# Altium PCB Hydrophone2012.PcbDoc (part 1 of 3)
Units mil, origin at the board's own origin, x right, y up, seen from the top; angles counter-clockwise.
Board outline 4800 x 2625 mil, 4 copper layers (Top Layer, PWR, GND, Bottom Layer); 354 components, 154 nets, 1267 pads, 483 vias.
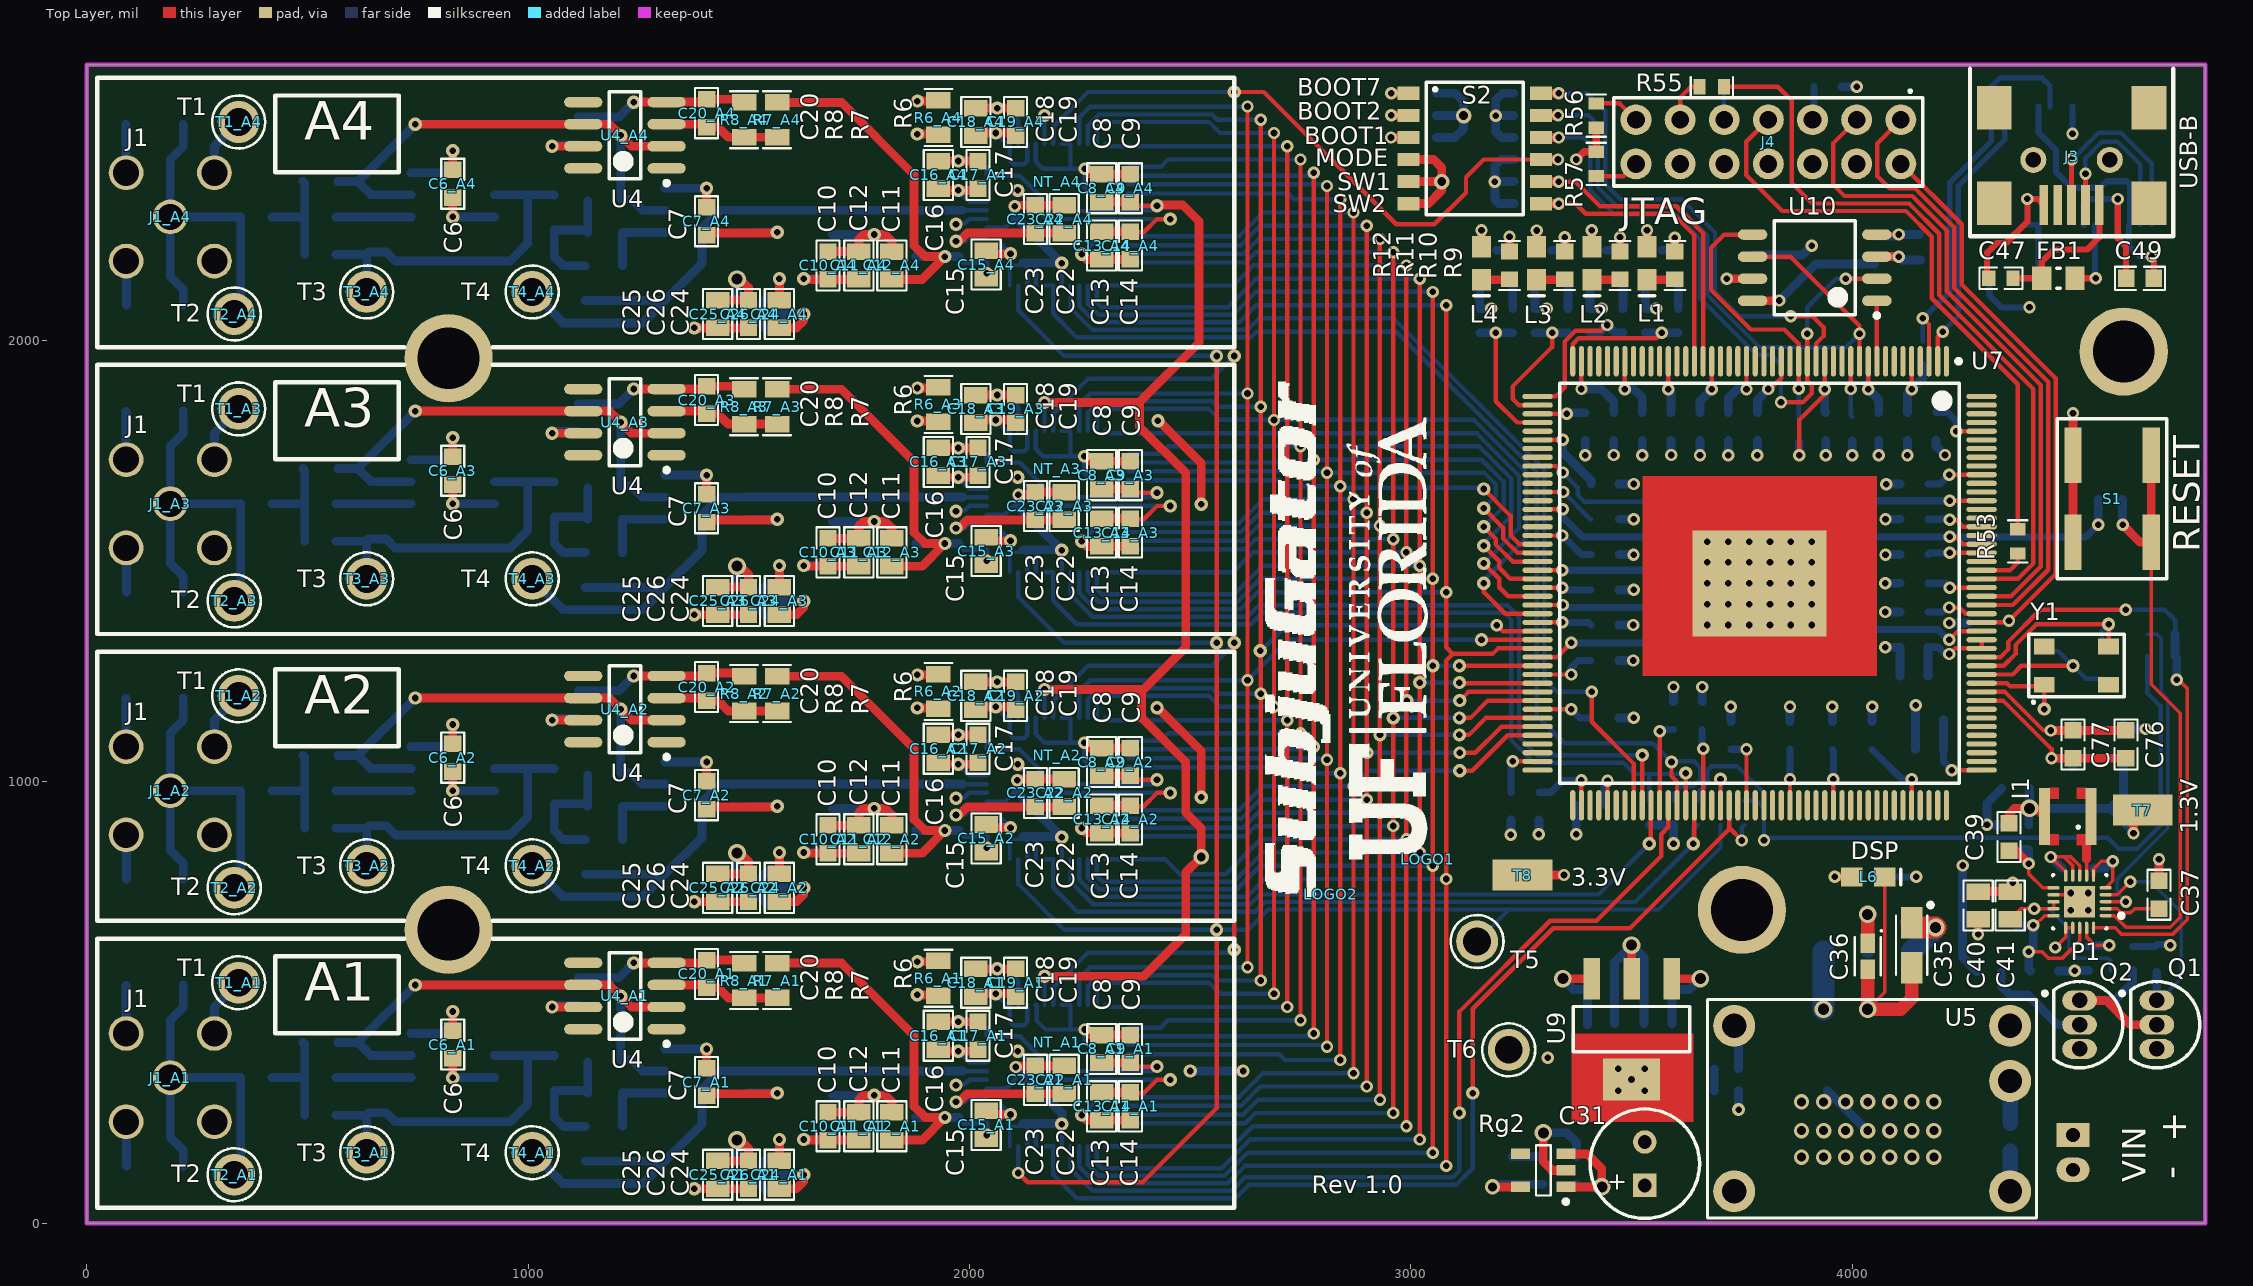
[diagram p0: Top Layer view]
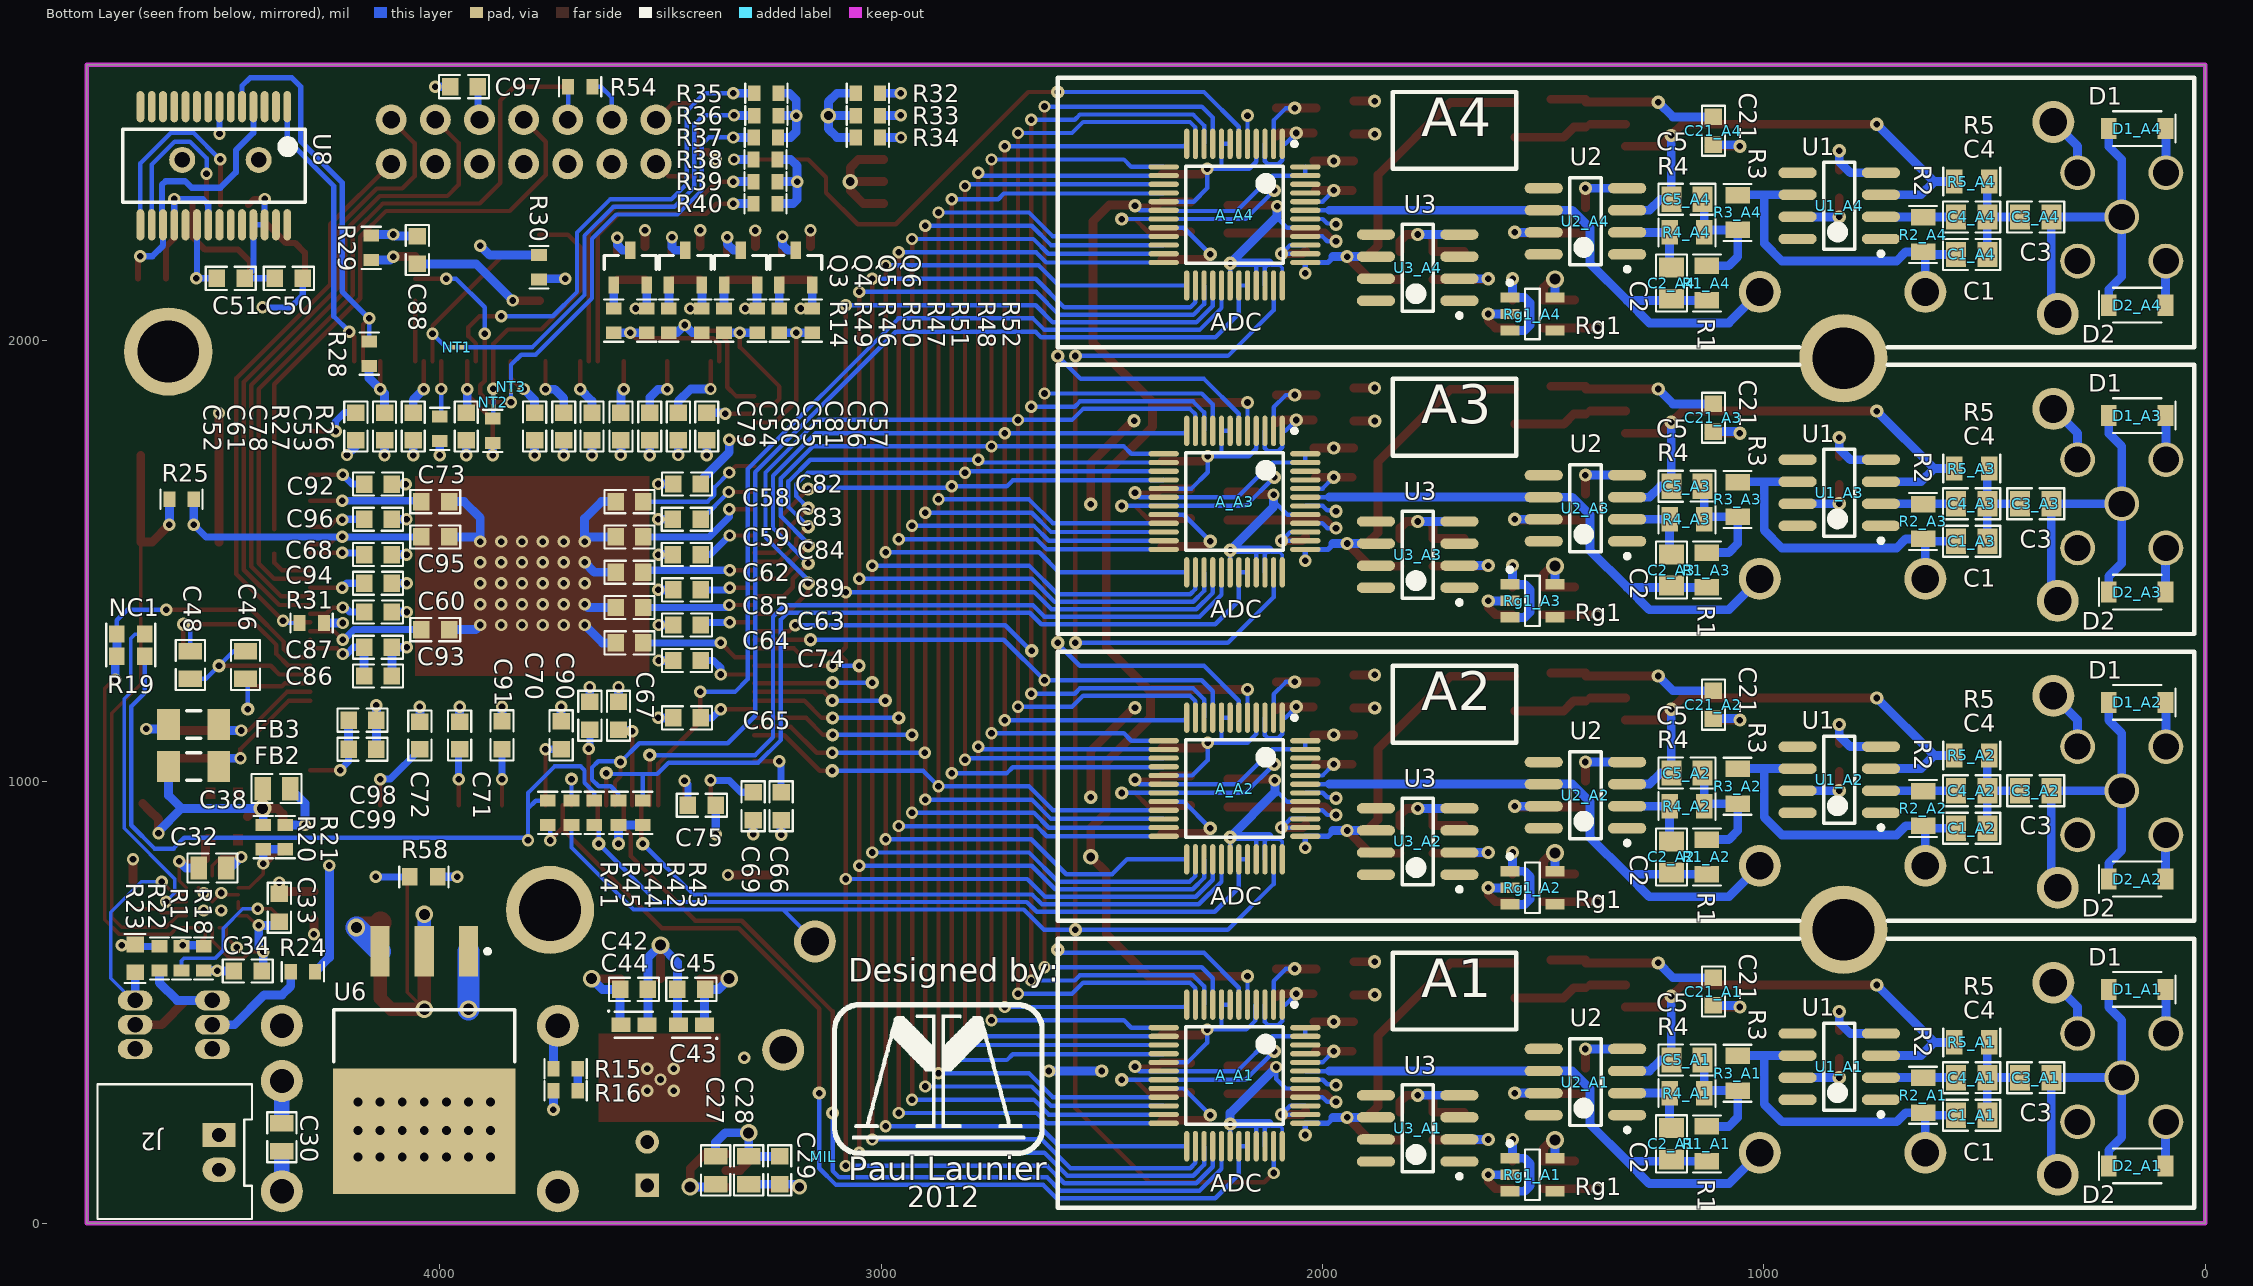
[diagram p1: Bottom Layer view, seen from below]
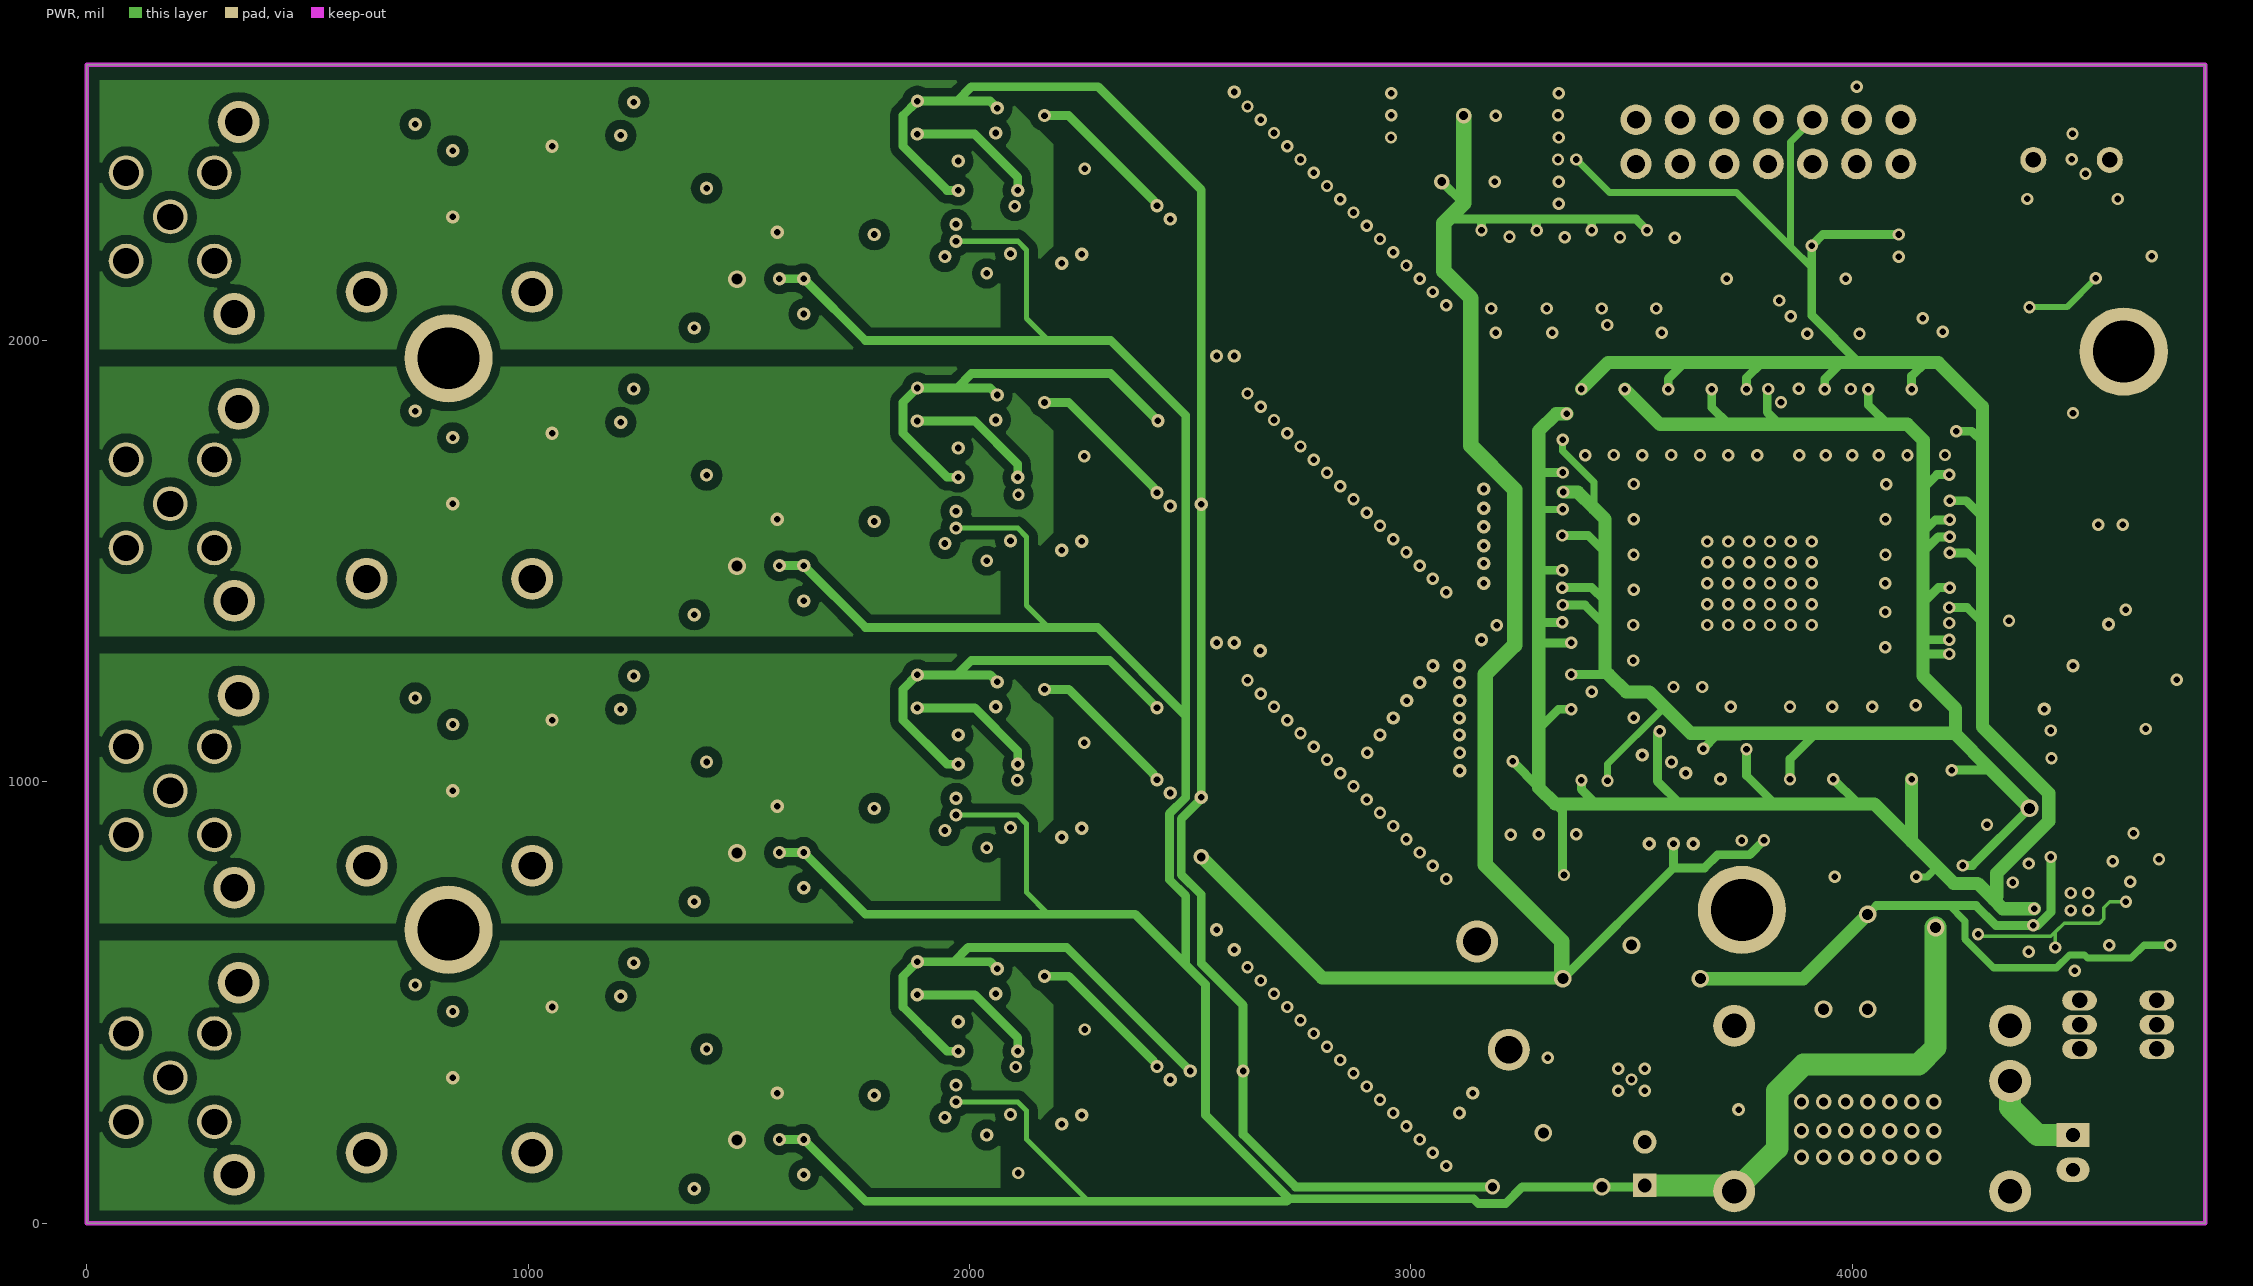
[diagram p2: PWR]
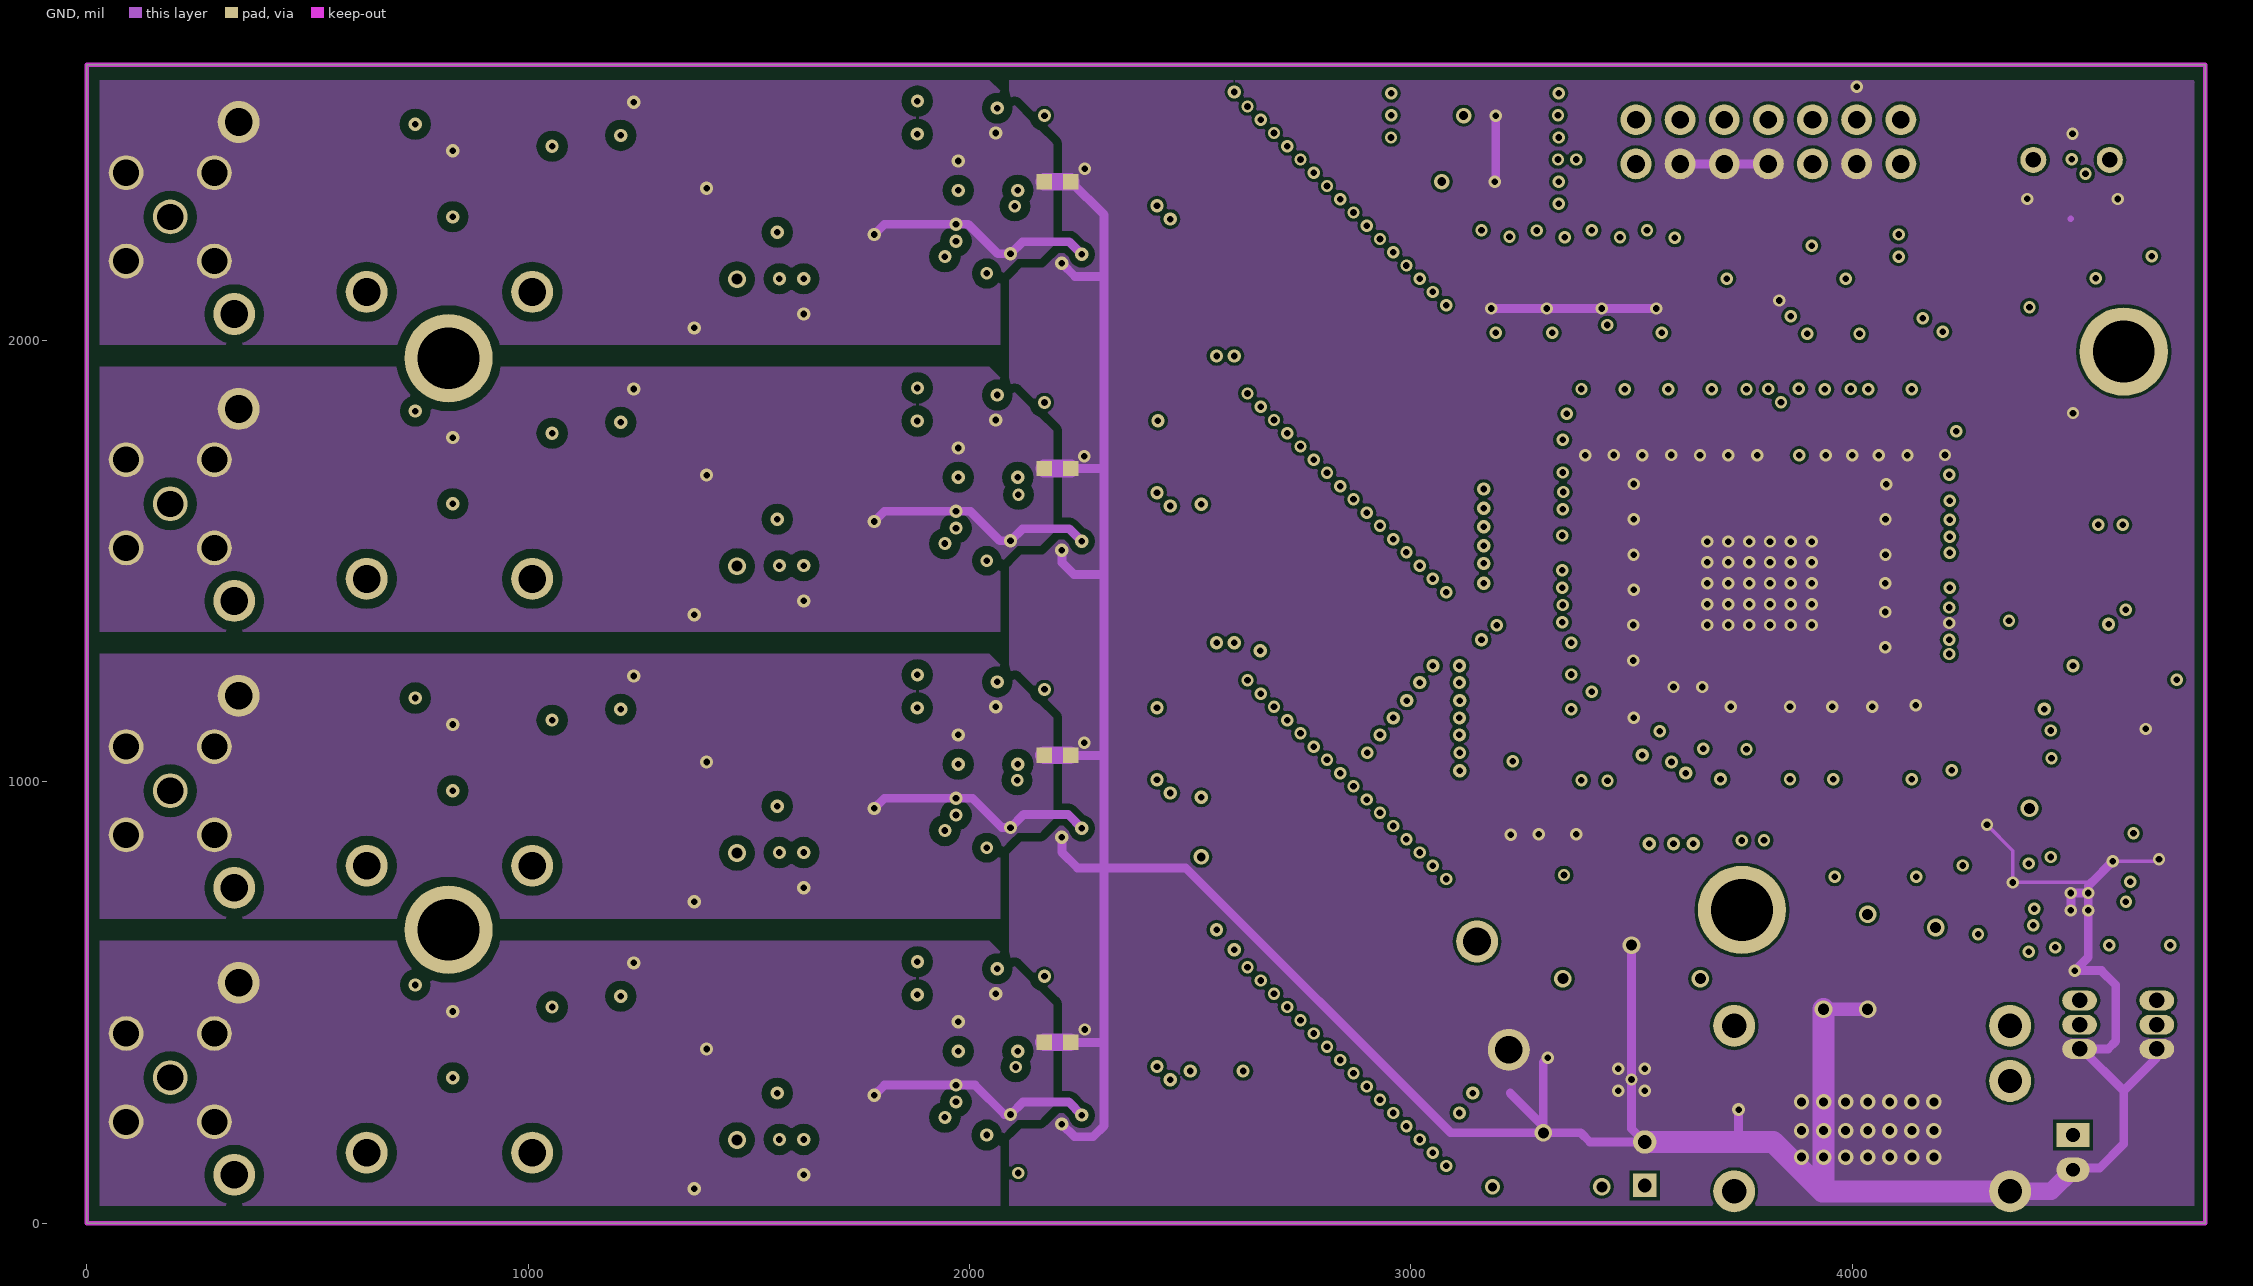
[diagram p3: GND]
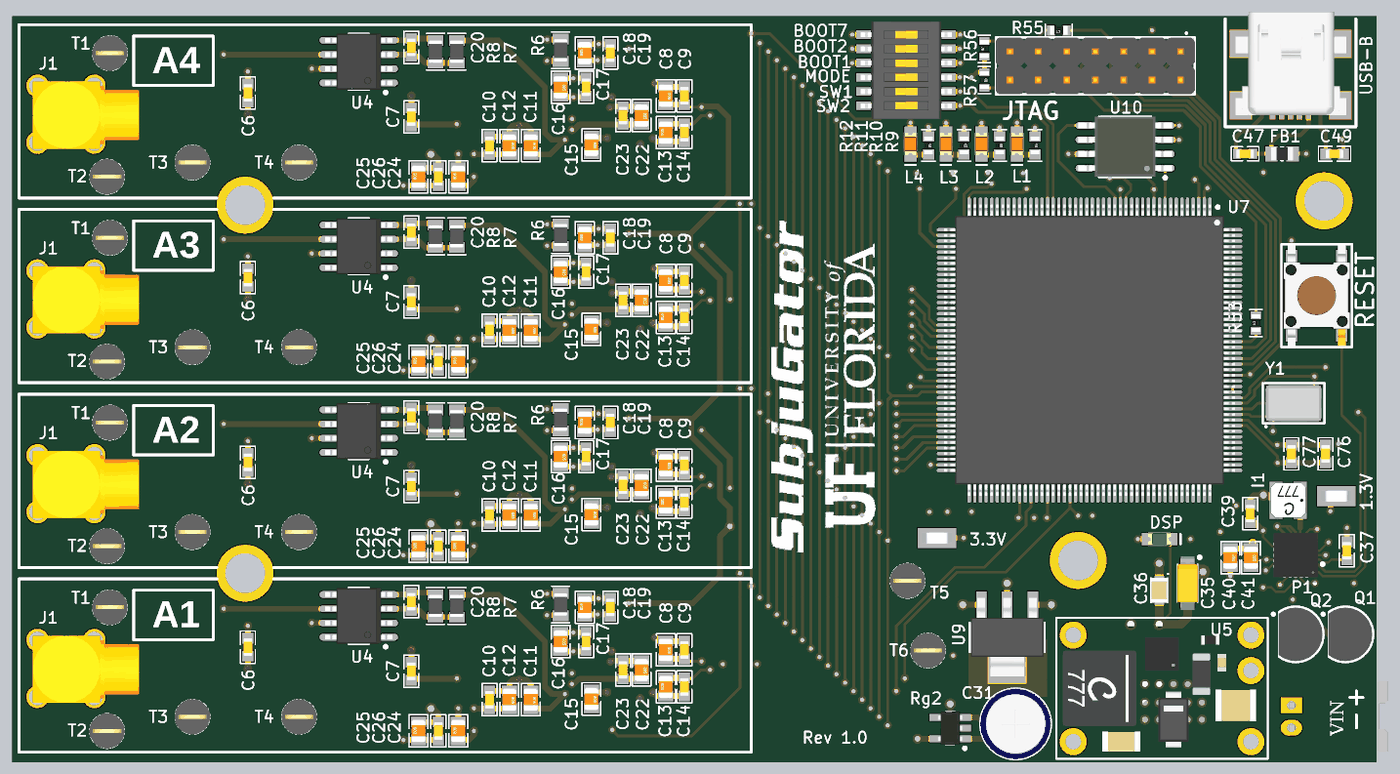
[diagram p6: 3D render of the assembled board from above, using the file's embedded part models]
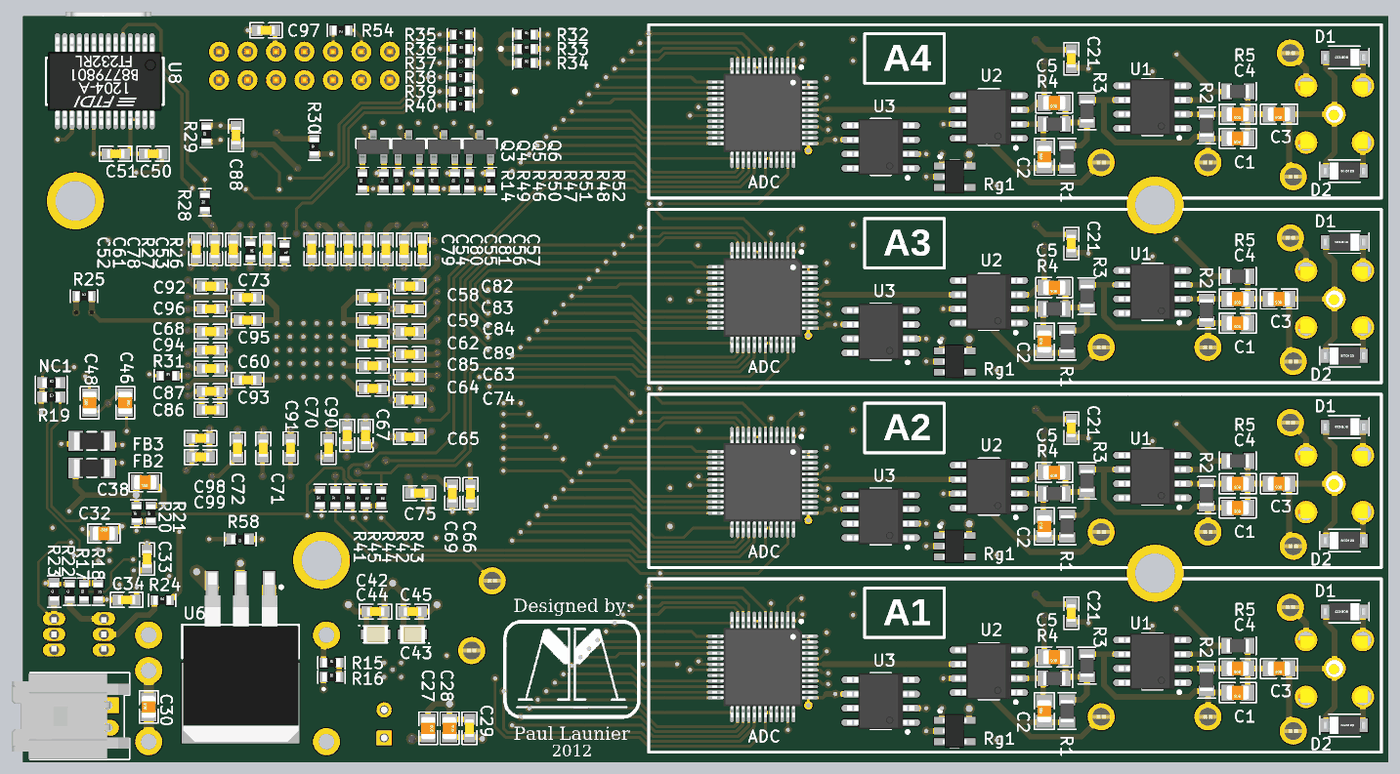
[diagram p7: 3D render of the assembled board from below, using the file's embedded part models]

## Layer stack, top to bottom
Top Solder: solder mask 0.4, Solder Resist, Dk 3.5
Top Layer: signal copper 1.4
Dielectric1: prepreg 12.6, FR-4, Dk 4.8
PWR: signal copper 1.4
Dielectric3: core 12.6, FR-4, Dk 4.8
GND: signal copper 1.4
Dielectric2: prepreg 12.6, FR-4, Dk 4.8
Bottom Layer: signal copper 1.4
Bottom Solder: solder mask 0.4, Solder Resist, Dk 3.5

## Board outline
0,0 4800,0 4800,2625 0,2625

## Design rules (kind name [scope] priority, off if disabled: settings)
Clearance "Clearance DGNG NT" [InNamedPolygon('DGND') vs (InComponent('NT_A1') OR InComponent('NT_A2') OR InComponent('NT_A3') OR InComponent('NT_A4'))] p1: gap=-1
Clearance "Clearance AGND NT" [(InNamedPolygon('AGND1') OR InNamedPolygon('AGND2') OR InNamedPolygon('AGND3') OR InNamedPolygon('AGND4')) vs (InComponent('NT_A1') OR InComponent('NT_A2') OR InComponent('NT_A3') OR InComponent('NT_A4'))] p2: gap=-1
Clearance "Clearance Analog GND" [(InNamedPolygon('AGND1') OR InNamedPolygon('AGND2') OR InNamedPolygon('AGND3') OR InNamedPolygon('AGND4'))] p3: gap=20
Clearance "Clearance Analog Power" [(InNamedPolygon('AVCC_A1') OR InNamedPolygon('AVCC_A2') OR InNamedPolygon('AVCC_A3') OR InNamedPolygon('AVCC_A4'))] p4: gap=20
Clearance "Clearance DGND" [InNamedPolygon('DGND') vs (InNet('AGND_A1') OR InNet('AGND_A2') OR InNet('AGND_A3') OR InNet('AGND_A4'))] p5: gap=15
Clearance Clearance_P1 [InComponent('P1')] p6: gap=5
Clearance [All] p7: gap=7
DiffPairsRouting [All] p1: maxlimit=10 minlimit=10 mostfreqgap=10 toplayer_minwidth=15 toplayer_maxwidth=15 toplayer_prefwidth=15 midlayer1_minwidth=15 midlayer1_maxwidth=15 midlayer1_prefwidth=15 midlayer2_minwidth=15 midlayer2_maxwidth=15 midlayer2_prefwidth=15 bottomlayer_minwidth=15 bottomlayer_maxwidth=15 bottomlayer_prefwidth=15 maxuncoupledlength=500
FabricationTestPointUsage TestPointUsage [All] p1: valid=0 allowmultiple=FALSE
FabricationTestpoint Testpoint [All] p1: side=3 testpointundercomponent=TRUE minsize=40 maxsize=100 preferedsize=60 minholesize=0 maxholesize=40 preferedholesize=32 testpointgrid=1 allowsidetop=TRUE allowsidebottom=TRUE usegrid=TRUE gridtolerance=0.01
FanoutControl Fanout_BGA [IsBGA] p1 off: bgadir=Out bgaviamode=Centered fanoutstyle=Auto fanoutdirection=Alternating viagrid=1 // Fanout_BGA (Default Rule)
HoleSize [All] p1: absolutevalues=TRUE maxlimit=140 minlimit=1 maxpercent=80.000 minpercent=20.000
MinimumAnnularRing [All] p1: minimumring=5
PlaneClearance [All] p1: clearance=30
PlaneConnect PlaneConnect_DGND [InNet('DGND')] p1: planeconnectstyle=Direct reliefexpansion=20 reliefentries=4 reliefconductorwidth=10 reliefairgap=10
PlaneConnect PlaneConnect_3.3v [InNet('3.3V')] p2: planeconnectstyle=Direct reliefexpansion=20 reliefentries=4 reliefconductorwidth=10 reliefairgap=10
PlaneConnect PlaneConnect_1.2v [InNet('1.2V')] p3: planeconnectstyle=Direct reliefexpansion=20 reliefentries=4 reliefconductorwidth=10 reliefairgap=10
PlaneConnect PlaneConnect_IN [InNet('NetC37_1')] p4: planeconnectstyle=Direct reliefexpansion=20 reliefentries=4 reliefconductorwidth=10 reliefairgap=10
PlaneConnect PlaneConnect_PGND [InNet('PGND')] p5: planeconnectstyle=Direct reliefexpansion=20 reliefentries=4 reliefconductorwidth=10 reliefairgap=10
PlaneConnect PlaneConnect_VIN [InNet('VIN')] p6: planeconnectstyle=Direct reliefexpansion=20 reliefentries=4 reliefconductorwidth=10 reliefairgap=10
PlaneConnect [All] p7: planeconnectstyle=Direct reliefexpansion=15 reliefentries=4 reliefconductorwidth=20 reliefairgap=10
PolygonConnect [All] p1: connectstyle=Direct reliefconductorwidth=10 reliefentries=4 polygonreliefangle="90 Angle" airgapwidth=10
RoomDefinition A4 [InComponentClass('A4')] p1: confinementstyle=ConfineIn formatcopy=TRUE lockcomponents=FALSE outline 10,1960 10,2610 2605,2610 2605,1960
RoomDefinition A3 [InComponentClass('A3')] p2: confinementstyle=ConfineIn formatcopy=TRUE lockcomponents=FALSE outline 10,1310 10,1960 2605,1960 2605,1310
RoomDefinition A2 [InComponentClass('A2')] p3: confinementstyle=ConfineIn formatcopy=TRUE lockcomponents=FALSE outline 10,660 10,1310 2605,1310 2605,660
RoomDefinition A1 [InComponentClass('A1')] p4: confinementstyle=ConfineIn formatcopy=TRUE lockcomponents=FALSE outline 10,10 10,660 2605,660 2605,10
RoutingVias [All] p1: holewidth=25 width=45 viastyle="Through Hole" minholewidth=15 minwidth=28 maxholewidth=28 maxwidth=50
SilkToSolderMaskClearance SilkscreenOverComponentPads [IsPad] p1: minsilkscreentomaskgap=10 clearancetoexposedcopper=TRUE
SolderMaskExpansion [All] p1: expansion=4
Width [All] p1: maxlimit=100 minlimit=8 preferedwidth=12
22 further rules are at their usual default settings.

## Classes and differential pairs
channel class Analog: A?1 A?2 A?3 A?4
component class A1: A_A1 C1_A1 C2_A1 C3_A1 C4_A1 C5_A1 C6_A1 C7_A1 C8_A1 C9_A1 C10_A1 C11_A1 C12_A1 C13_A1 C14_A1 C15_A1 C16_A1 C17_A1 C18_A1 C19_A1 C20_A1 C21_A1 C22_A1 C23_A1 C24_A1 C25_A1 C26_A1 D1_A1 D2_A1 J1_A1 NT_A1 R1_A1 R2_A1 R3_A1 R4_A1 R5_A1 R6_A1 R7_A1 R8_A1 Rg1_A1 T1_A1 T2_A1 T3_A1 T4_A1 U1_A1 U2_A1 U3_A1 U4_A1
component class A2: A_A2 C1_A2 C2_A2 C3_A2 C4_A2 C5_A2 C6_A2 C7_A2 C8_A2 C9_A2 C10_A2 C11_A2 C12_A2 C13_A2 C14_A2 C15_A2 C16_A2 C17_A2 C18_A2 C19_A2 C20_A2 C21_A2 C22_A2 C23_A2 C24_A2 C25_A2 C26_A2 D1_A2 D2_A2 J1_A2 NT_A2 R1_A2 R2_A2 R3_A2 R4_A2 R5_A2 R6_A2 R7_A2 R8_A2 Rg1_A2 T1_A2 T2_A2 T3_A2 T4_A2 U1_A2 U2_A2 U3_A2 U4_A2
component class A3: A_A3 C1_A3 C2_A3 C3_A3 C4_A3 C5_A3 C6_A3 C7_A3 C8_A3 C9_A3 C10_A3 C11_A3 C12_A3 C13_A3 C14_A3 C15_A3 C16_A3 C17_A3 C18_A3 C19_A3 C20_A3 C21_A3 C22_A3 C23_A3 C24_A3 C25_A3 C26_A3 D1_A3 D2_A3 J1_A3 NT_A3 R1_A3 R2_A3 R3_A3 R4_A3 R5_A3 R6_A3 R7_A3 R8_A3 Rg1_A3 T1_A3 T2_A3 T3_A3 T4_A3 U1_A3 U2_A3 U3_A3 U4_A3
component class A4: A_A4 C1_A4 C2_A4 C3_A4 C4_A4 C5_A4 C6_A4 C7_A4 C8_A4 C9_A4 C10_A4 C11_A4 C12_A4 C13_A4 C14_A4 C15_A4 C16_A4 C17_A4 C18_A4 C19_A4 C20_A4 C21_A4 C22_A4 C23_A4 C24_A4 C25_A4 C26_A4 D1_A4 D2_A4 J1_A4 NT_A4 R1_A4 R2_A4 R3_A4 R4_A4 R5_A4 R6_A4 R7_A4 R8_A4 Rg1_A4 T1_A4 T2_A4 T3_A4 T4_A4 U1_A4 U2_A4 U3_A4 U4_A4
net class D[0..15]: D0 D1 D2 D3 D4 D5 D6 D7 D8 D9 D10 D11 D12 D13 D14 D15
net class L[0..3]: L0 L1 L2 L3
differential pair USB: +USB_P -USB_N
